# Altium PCB zhuzhuan1-2.PcbDoc
Units mm, origin at the board's own origin, x right, y up, seen from the top; angles counter-clockwise.
Board outline 462.88 x 250 mm, 2 copper layers (Top Layer, Bottom Layer); 81 components, 80 nets, 438 pads, 108 vias.
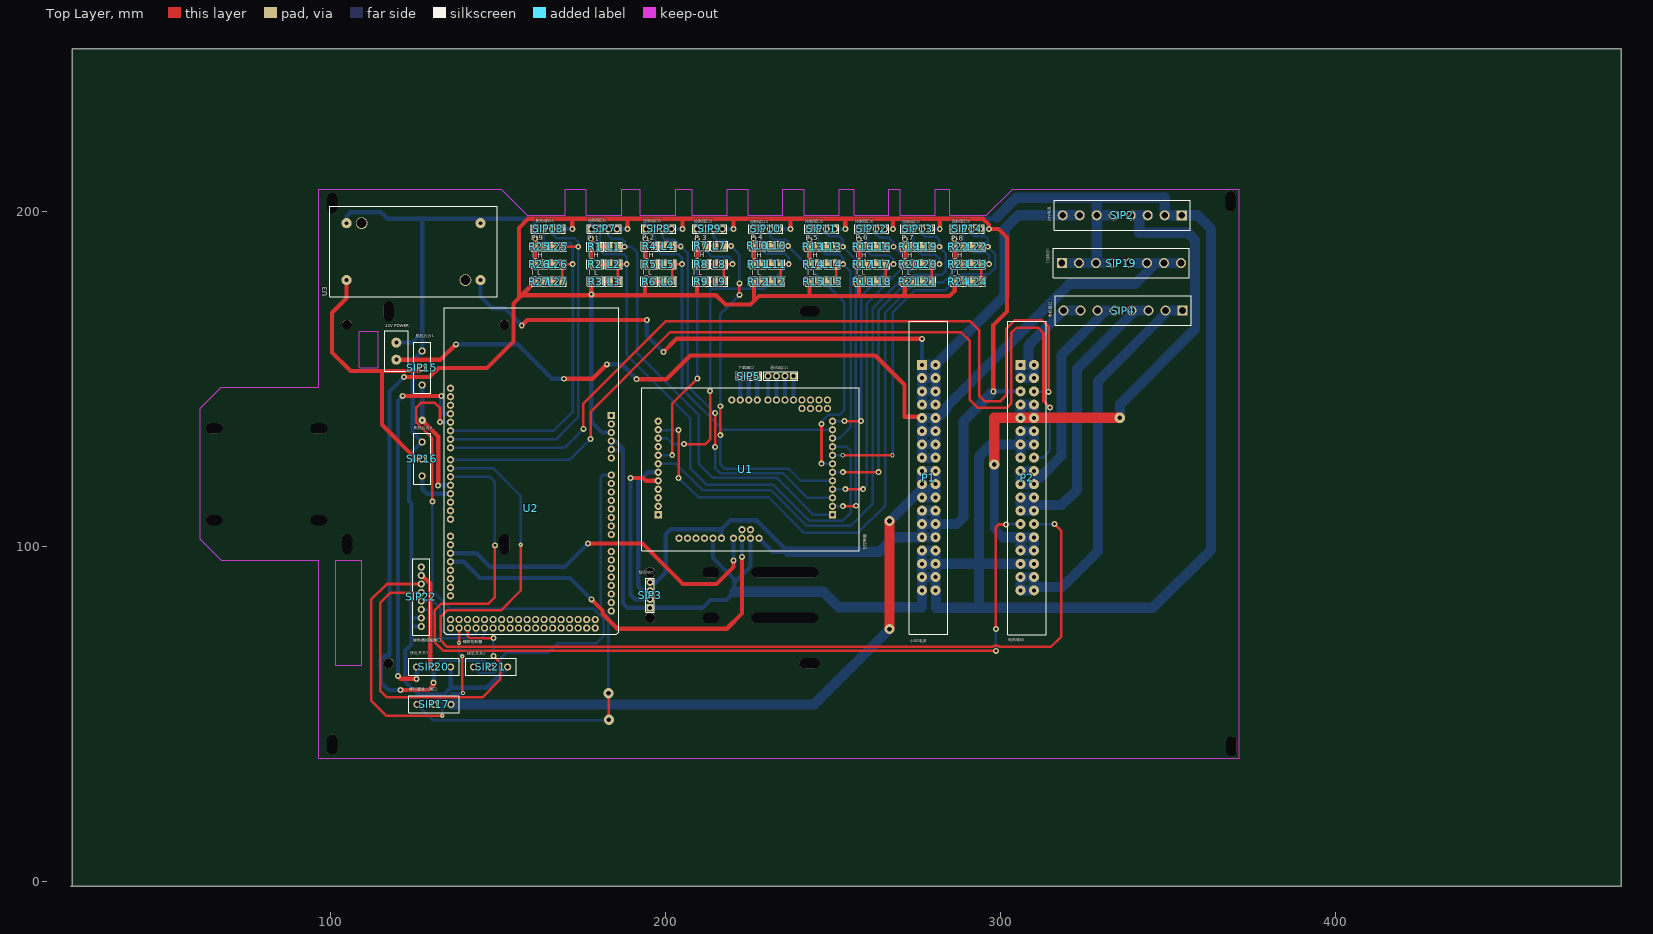
[diagram p0: Top Layer view]
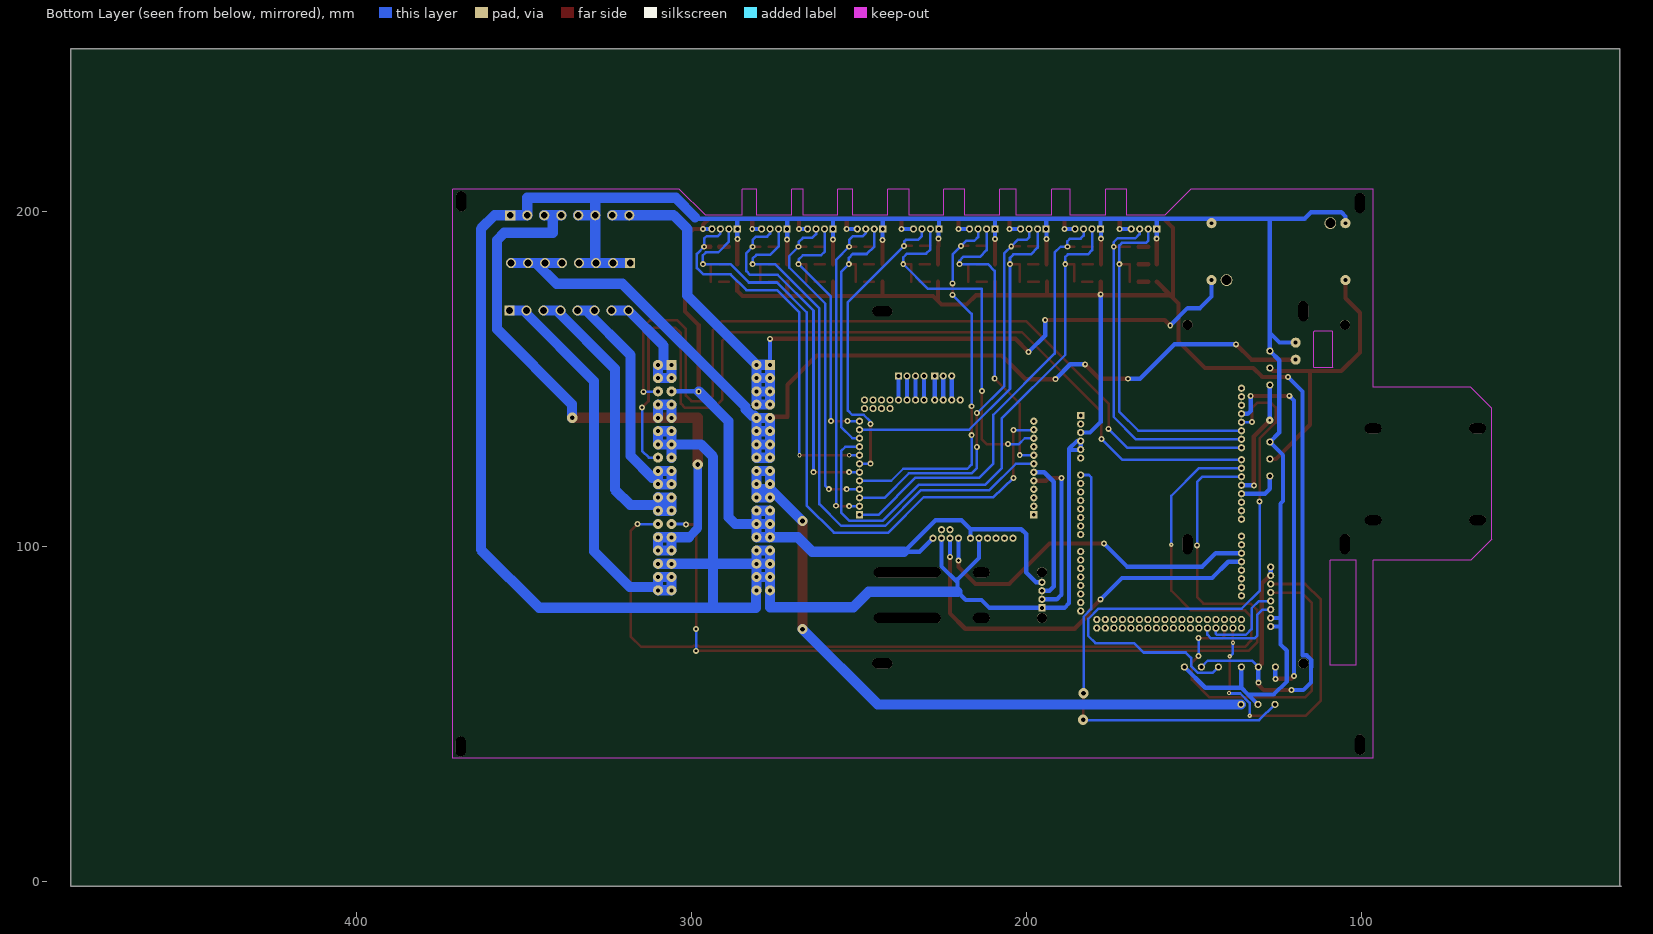
[diagram p1: Bottom Layer view, seen from below]

## Layer stack, top to bottom
Top Layer: signal copper 0.0356
Dielectric: dielectric 0.32, FR-4, Dk 4.8
Bottom Layer: signal copper 0.0356

## Board outline
22.479,-1.524 485.36,-1.524 485.36,248.476 22.86,248.476 22.86,-1.524

## Design rules (kind name [scope] priority, off if disabled: settings)
Clearance [All] p1: gap=0.254
PolygonConnect [All] p1: connectstyle=Relief reliefconductorwidth=0.254 reliefentries=4 polygonreliefangle="90 Angle"
RoutingVias [All] p1: holewidth=0.838 width=2.032 viastyle="Through Hole" minholewidth=0.254 minwidth=0.254 maxholewidth=7.62 maxwidth=12.7
SilkscreenOverComponentPads [All] p1: minsilkscreentomaskgap=0.254
SolderMaskExpansion [All] p1: expansion=0.102
Width [All] p1: maxlimit=12.7 minlimit=0.254 preferedwidth=0.762
27 further rules are at their usual default settings.

## Components (designator, comment, footprint, x,y, rotation, side; value= is the part's Value field where it differs from the comment)
"12V POWER" "SIP2" SIP2-3MM 119.634,155.702 r90 top
L1 "P_1" LED-T 185.776,189.408 r180 top
L2 "I_H" LED-T 185.776,184.175 r180 top
L3 "I_L" LED-T 183.337,178.994 r0 top
L4 "P_2" LED-T 202.032,189.535 r180 top
L5 "I_H" LED-T 202.032,184.201 r180 top
L6 "I_L" LED-T 199.492,178.994 r0 top
L7 "P_3" LED-T 217.399,189.662 r180 top
L8 "I_H" LED-T 217.399,184.201 r180 top
L9 "I_L" LED-T 214.859,178.994 r0 top
L10 "P_4" LED-T 234.29,189.662 r180 top
L11 "I_H" LED-T 234.417,184.201 r180 top
L12 "I_L" LED-T 231.877,178.994 r0 top
L13 "P_5" LED-T 250.927,189.408 r180 top
L14 "I_H" LED-T 251.054,184.201 r180 top
L15 "I_L" LED-T 248.514,178.994 r0 top
L16 "P_6" LED-T 265.786,189.408 r180 top
L17 "I_H" LED-T 265.786,184.201 r180 top
L18 "I_L" LED-T 263.246,178.994 r0 top
L19 "P_7" LED-T 279.502,189.408 r180 top
L20 "I_H" LED-T 279.502,184.201 r180 top
L21 "I_L" LED-T 276.962,178.994 r0 top
L22 "P_8" LED-T 294.361,189.408 r180 top
L23 "I_H" LED-T 294.361,184.201 r180 top
L24 "I_L" LED-T 291.821,178.994 r0 top
L25 "P_9" LED-T 169.139,189.408 r180 top
L26 "I_H" LED-T 169.139,184.201 r180 top
L27 "I_L" LED-T 166.599,178.994 r0 top
P1 "小DC电源" DIP36-3.96MM 276.631,154.145 r0 top
P2 "电机驱动" DIP36-3.96MM 306.053,154.14 r0 top
R1 "R" RES-T 180.315,189.408 r180 top
R2 "R" RES-T 180.315,184.175 r180 top
R3 "R" RES-T 180.416,178.994 r180 top
R4 "R" RES-T 196.571,189.535 r180 top
R5 "R" RES-T 196.571,184.201 r180 top
R6 "R" RES-T 196.444,178.994 r180 top
R7 "R" RES-T 211.938,189.662 r180 top
R8 "R" RES-T 211.938,184.201 r180 top
R9 "R" RES-T 211.938,178.994 r180 top
R10 "R" RES-T 228.829,189.662 r180 top
R11 "R" RES-T 228.956,184.201 r180 top
R12 "R" RES-T 228.956,178.994 r180 top
R13 "R" RES-T 245.466,189.408 r180 top
R14 "R" RES-T 245.593,184.201 r180 top
R15 "R" RES-T 245.593,178.994 r180 top
R16 "R" RES-T 260.325,189.408 r180 top
R17 "R" RES-T 260.325,184.201 r180 top
R18 "R" RES-T 260.325,178.994 r180 top
R19 "R" RES-T 274.041,189.408 r180 top
R20 "R" RES-T 274.041,184.201 r180 top
R21 "R" RES-T 274.041,178.994 r180 top
R22 "R" RES-T 288.9,189.408 r180 top
R23 "R" RES-T 288.9,184.201 r180 top
R24 "R" RES-T 288.9,178.994 r180 top
R25 "R" RES-T 163.678,189.408 r180 top
R26 "R" RES-T 163.678,184.201 r180 top
R27 "R" RES-T 163.678,178.994 r180 top
SIP2 "24V电源" SIP8*3MM 354.178,198.806 r180 top
SIP3 "CAN总线" SIP4 195.428,81.585 r180 top
SIP4 "电机接口" SIP8*3MM 354.432,170.358 r180 top
SIP5 "下载端口" SIP3 227.432,150.8 r270 top
SIP7 "控制端口1" SIP4 177.902,194.742 r90 top
SIP8 "控制端口2" SIP4 194.158,194.742 r90 top
SIP9 "控制端口3" SIP4 209.398,194.742 r90 top
SIP10 "控制端口4" SIP4 226.162,194.742 r90 top
SIP11 "控制端口5" SIP4 242.926,194.742 r90 top
SIP12 "控制端口6" SIP4 257.785,194.742 r90 top
SIP13 "控制端口7" SIP4 271.501,194.742 r90 top
SIP14 "控制端口8" SIP4 286.36,194.742 r90 top
SIP15 "舵机云台1" SIP3-3MM 127.356,148.133 r90 top
SIP16 "舵机云台2" SIP3-3MM 127.356,120.955 r90 top
SIP17 "模拟量输入端口" SIP3-3MM 135.992,52.756 r180 top
SIP18 "舵机端口9" SIP4 161.138,194.742 r90 top
SIP19 "LED接口" SIP8*3MM 318.389,184.531 r0 top
SIP20 "接近开关1" SIP3-3MM 125.705,63.932 r0 top
SIP21 "接近开关2" SIP3-3MM 142.723,63.932 r0 top
SIP22 "继电器控制端口" SIP8 127.102,93.777 r0 top
U1 "主控制器" -----STM32F407----- 249.903,109.37 r180 top
U2 "辅助控制器" "ARDUINO 2560" 135.839,139.032 r0 top
U3 "2596模块" 2596模块 144.78,179.451 r180 top
通讯端口1 "SIP4" SIP4 238.227,150.8 r270 top

## Footprints (in the part's own frame and the unit in brackets; to place one, negate y for a bottom-side part, rotate by r counter-clockwise, add the part's x,y. Pads: shape width x height; smd on the part's side, far side on the other; paste and mask are expansions set on the pad)
2596模块 [mm]
  round 3.048 hole 1.143: 1(0,0) 2(0,-17) 3(40,-17) 4(40,0)
  round 3.5 hole 3: 6(4.5,0) 7(35.5,-17)
  silkscreen extent -5,-22 45,5
-----STM32F407----- [mil]
  rect 85x85 hole 45: 1(2050,0) 13(0,0)
  round 85 hole 45: 2(2050,-100) 3(2050,-200) 4(2050,-300) 5(2050,-400) 6(2050,-500) 7(2050,-600) 8(2050,-700) 9(2050,-800) 10(2050,-900) 11(2050,-1000) 12(2050,-1100) 14(0,-100) 15(0,-200) 16(0,-300) 17(0,-400) 18(0,-500) 19(0,-600) 20(0,-700) 21(0,-800) 22(0,-900) 23(0,-1000) 24(0,-1100) 25(60,-1250) 26(160,-1250) 27(260,-1250) 28(360,-1250) 29(60,-1350) 30(160,-1350) 31(260,-1350) 32(360,-1350) 33(460,-1350) 34(560,-1350) 35(660,-1350) 36(760,-1350) 37(885,-1350) 38(985,-1350) 39(1085,-1350) 40(1185,-1350) 41(1805,275) 42(1705,275) 43(1605,275) 44(1505,275) 45(1405,275) 46(1305,275) 47(1165,275) 48(1065,275) 49(965,275) 50(865,275) 51(1065,175) 52(965,175)
  silkscreen extent -313,-1495 2241,423
"ARDUINO 2560" [mil]
  rect 85x85 hole 45: 1(1890,0)
  round 85 hole 45: 2(1890,-100) 3(1890,-200) 4(1890,-300) 5(1890,-400) 6(1890,-500) 7(1890,-700) 8(1890,-800) 9(1890,-900) 10(1890,-1000) 11(1890,-1100) 12(1890,-1200) 13(1890,-1300) 14(1890,-1400) 15(1890,-1600) 16(1890,-1700) 17(1890,-1800) 18(1890,-1900) 19(1890,-2000) 20(1890,-2100) 21(1890,-2200) 22(1890,-2300) 23(100,-2400) 24(100,-2500) 25(200,-2400) 26(200,-2500) 27(300,-2400) 28(300,-2500) 29(400,-2400) 30(400,-2500) 31(500,-2400) 32(500,-2500) 33(600,-2400) 34(600,-2500) 35(700,-2400) 36(700,-2500) 37(800,-2400) 38(800,-2500) 39(900,-2400) 40(900,-2500) 41(1000,-2400) 42(1000,-2500) 43(1100,-2400) 44(1100,-2500) 45(1200,-2400) 46(1200,-2500) 47(1300,-2400) 48(1300,-2500) 49(1400,-2400) 50(1400,-2500) 51(1500,-2400) 52(1500,-2500) 53(1600,-2400) 54(1600,-2500) 55(1700,-2400) 56(1700,-2500) 57(0,-2120) 58(0,-2020) 59(0,-1920) 60(0,-1820) 61(0,-1720) 62(0,-1620) 63(0,-1520) 64(0,-1420) 65(0,-1220) 66(0,-1120) 67(0,-1020) 68(0,-920) 69(0,-820) 70(0,-720) 71(0,-620) 72(0,-520) 73(0,-380) 74(0,-280) 75(0,-180) 76(0,-80) 77(0,20) 78(0,120) 79(0,220) 80(0,320) 81(0,-2500) 82(0,-2400)
  silkscreen extent -75,-2575 1975,1265
DIP36-3.96MM [mm]
  rect 3x3 hole 1.2: 1(0,0)
  round 3 hole 1.2: 2(4,0) 3(0,-3.96) 4(4,-3.96) 5(0,-7.92) 6(4,-7.92) 7(0,-11.88) 8(4,-11.88) 9(0,-15.84) 10(4,-15.84) 11(0,-19.8) 12(4,-19.8) 13(0,-23.76) 14(4,-23.76) 15(0,-27.72) 16(4,-27.72) 17(0,-31.68) 18(4,-31.68) 19(0,-35.64) 20(4,-35.64) 21(0,-39.6) 22(4,-39.6) 23(0,-43.56) 24(4,-43.56) 25(0,-47.52) 26(4,-47.52) 27(0,-51.48) 28(4,-51.48) 29(0,-55.44) 30(4,-55.44) 31(0,-59.4) 32(4,-59.4) 33(0,-63.36) 34(4,-63.36) 35(0,-67.32) 36(4,-67.32)
  silkscreen extent -3.81,-80.52 7.62,12.95
LED-T [mil]
  rect 75x85 smd: 1(0,0) 2(100,0)
  silkscreen extent -50,-55 150,55
RES-T [mil]
  rect 75x85 smd: 1(0,0) 2(100,0)
  silkscreen extent -50,-55 150,55
SIP2-3MM [mm]
  round 3 hole 1.2: 1(0,0) 2(5.08,0)
  silkscreen extent -3.51,-3.51 8.59,3.51
SIP3 [mil]
  rect 85x85 hole 45: 1(0,0)
  round 85 hole 45: 2(0,-100) 3(0,-200)
  silkscreen extent -50,-250 50,50
SIP3-3MM [mil]
  round 85 hole 45: 1(0,0) 2(200,0) 3(400,0)
  silkscreen extent -95,-100 500,100
SIP4 [mil]
  rect 85x85 hole 45: 1(0,0)
  round 85 hole 45: 2(0,-100) 3(0,-200) 4(0,-300)
  silkscreen extent -50,-350 50,50
SIP8 [mil]
  round 85 hole 45: 1(0,0) 2(0,-100) 3(0,-200) 4(0,-300) 5(0,-400) 6(0,-500) 7(0,-600) 8(0,-700)
  silkscreen extent -100,-800 100,100
SIP8*3MM [mm]
  rect 3x3 hole 2: 1(0,0)
  round 3 hole 2: 2(5.08,0) 3(10.16,0) 4(15.24,0) 5(20.32,0) 6(25.4,0) 7(30.48,0) 8(35.56,0)
  silkscreen extent -2.54,-4.44 38.1,4.45

## Part data
L1 L2 L3 L4 L5 L6 L7 L8 L9 L10 L11 L12 L13 L14 L15 L16 L17 L18 L19 L20 L21 L22 L23 L24 L25 L26 L27: library part LED
P1: library part POWER_18*2
P2: library part Header
R1 R2 R3 R4 R5 R6 R7 R8 R9 R10 R11 R12 R13 R14 R15 R16 R17 R18 R19 R20 R21 R22 R23 R24 R25 R26 R27: library part RES-T
SIP2 SIP4 SIP19: library part SIP8*3MM
SIP3 SIP7 SIP8 SIP9 SIP10 SIP11 SIP12 SIP13 SIP14 SIP18: library part SIP4
SIP5 SIP15 SIP16 SIP17 SIP20 SIP21: library part SIP3
SIP22: library part SIP8
U1: library part ------STM32F407------
U2: library part "ARDUINO 2560"

## Free pads (board coordinates)
  oval 3x6 hole 3 slot 6 at 90 deg: 0(151.934,100.609) 0(368.833,202.971) 1(368.986,40.183) 2(100.457,40.742) 2(104.934,100.609) 3(100.457,202.463) 15(117.348,170.18)
  round 3 hole 3: 1(151.934,166.109) 3(104.934,166.109) 7(195.428,78.585) 8(195.428,92.205) 10(117.348,65.024)
  oval 5x3 hole 3 slot 5 at 0 deg: 5(96.495,135.153) 8(65.295,135.179) 9(65.329,107.772) 9(96.495,107.772) 9(213.528,92.151) 10(213.528,78.585)
  oval 20x3 hole 3 slot 20 at 0 deg: 12(235.61,92.202) 13(235.61,78.588)
  oval 6x3 hole 3 slot 6 at 0 deg: 14(243.078,170.18) 16(243.078,65.024)

## Via types
v1: diameter 1.778, hole 0.838, Top Layer to Bottom Layer, 94 vias
v2: diameter 3.048, hole 1.397, Top Layer to Bottom Layer, 6 vias
v3: diameter 1.27, hole 0.508, Top Layer to Bottom Layer, 5 vias
v4: diameter 1.27, hole 0.711, Top Layer to Bottom Layer, 2 vias
v5: diameter 2.159, hole 0.838, Top Layer to Bottom Layer, 1 vias

## Nets (pads, with @x,y where several pads share a name; then routed paths per layer and width w, separated by ;. In a path a pad name is that pad's centre, name@x,y a point inside that pad or via, vN(x,y) a via of type N, cw(c..) or ccw(c..) an arc to the next point about the centre after c; other vN are vias at no path point)
5V: P1.23 P1.24 P1.25 P1.26 P1.27 P1.28 P2.5 R3.2 R6.2 R9.2 R12.2 R15.2 R18.2 R21.2 R24.2 R27.2 SIP3.4 SIP7.4 SIP8.4 SIP9.4 SIP10.4 SIP11.4 SIP12.4 SIP13.4 SIP14.4 SIP18.4 SIP20.2 SIP21.2 SIP22.1 SIP22.2 U1.46 U1.50 U2.3 | length 907.6
  Top Layer w1.27: v1(120.904,57.023) 129.21,57.023 130.785,58.598 v1(130.785,59.233) ; v1(121.92,150.495) 129.591,150.495 132.309,153.213 146.736,153.213 154.61,161.087 154.61,172.466 156.248,174.104 ; SIP22.2 127.345,91.237 129.794,88.788 129.794,64.922 SIP20.2 ; R27.2 157.074,174.93 ; v1(172.187,194.742) 172.187,197.663 ; v1(177.876,175.209) R3.2 ; v1(188.697,194.742) 188.697,197.79 ; 193.904,175.057 R6.2 ; v1(205.08,194.742) 205.08,197.663 ; 209.398,175.184 R9.2 ; v1(220.32,194.742) 220.32,197.79 ; 226.416,173.497 R12.2 ; v1(237.338,194.742) 237.338,197.79 ; 243.053,174.93 R15.2 ; v1(253.721,194.742) 253.721,197.79 ; 257.785,174.803 R18.2 ; v1(267.945,194.742) 267.945,197.663 ; 271.501,174.803 R21.2 ; v1(281.915,194.742) 281.915,197.663 ; R24.2 286.36,176.2 284.836,174.676 227.94,174.676 225.4,172.136 217.907,172.136 215.113,174.93 157.074,174.93 ; v1(297.917,146.228) 297.917,166.04 301.981,170.104 301.981,192.202 299.441,194.742 v1(296.647,194.742) 296.647,196.012 294.869,197.79 253.721,197.79 ; 156.248,174.104 157.074,174.93 ; 156.248,174.104 156.248,195.059 158.979,197.79 188.697,197.79 ; 188.697,197.79 220.32,197.79 ; 220.32,197.79 237.338,197.79 ; 237.338,197.79 253.721,197.79
  Bottom Layer w0.762: SIP20.2 132.69,65.837 145.898,65.837 SIP21.2
  Bottom Layer w1.27: 114.959,63.931 114.959,66.014 116.358,67.413 117.602,67.413 117.602,146.177 v1(121.92,150.495) ; 115.062,63.828 115.062,59.309 117.348,57.023 v1(120.904,57.023) ; SIP22.2 SIP22.1 ; v1(130.785,59.233) SIP20.2 ; SIP18.4 v1(172.187,194.742) ; v1(177.876,175.209) 177.876,137.109 181.034,133.952 U2.3 ; SIP7.4 v1(188.697,194.742) ; SIP3.4 197.206,89.205 200.101,92.1 200.101,103.607 201.567,105.072 216.756,105.072 ; SIP8.4 v1(205.08,194.742) ; U1.46 216.756,105.072 ; SIP9.4 v1(220.32,194.742) ; U1.50 231.968,98.349 236.576,98.349 ; SIP10.4 v1(237.338,194.742) ; 238.1,98.349 236.576,98.349 ; SIP11.4 v1(253.721,194.742) ; SIP12.4 v1(267.945,194.742) ; SIP13.4 v1(281.915,194.742) ; SIP14.4 v1(296.647,194.742) ; v1(297.917,146.228) 306.046,146.228 P2.5 ; 216.756,105.072 219.431,107.747 227.178,107.747 236.576,98.349
  Bottom Layer w3.048: 236.576,98.349 264.008,98.349 268.324,102.665 P1.27 ; P1.23@276.625,110.585 P1.23 ; v1(297.917,146.228) 289.027,137.338 289.027,108.636 287.016,106.625 P1.26 ; P1.27 P1.25 ; P1.27 P1.28 P1.26 ; P1.25 P1.26 ; P1.25 P1.23 ; P1.23 P1.24 P1.26
5V-D: SIP15.2 SIP16.2 U3.4 | length 85.4
  Top Layer w1.27: U3.4 104.78,174.046 100.432,169.697 100.432,157.861 106.02,152.273 115.341,152.273 ; SIP15.2@127.203,153.213 SIP15.2 126.416,152.273 115.341,152.273 ; SIP16.2 125.552,126.035 115.341,136.246 115.341,152.273
9V: P1.17 P1.18 P1.19 P1.20 P1.21 P1.22 SIP17.1 | length 214
  Top Layer w3.048: v2(266.929,75.235) v2(266.929,107.493)
  Bottom Layer w3.048: SIP17.1 244.45,52.756 v2(266.929,75.235) ; v2(266.929,107.493) 276.454,117.018 P1.20@280.631,117.018 ; P1.18@280.617,122.479 P1.18 ; P1.20@280.631,117.018 P1.20 P1.18 ; P1.20@280.631,117.018 P1.22 P1.21 P1.19 P1.17 P1.18
12V: "12V POWER.1" P1.9 P1.10 P1.11 P1.12 P1.13 P1.14 P1.15 P1.16 SIP19.5 SIP19.6 SIP19.7 SIP19.8 | length 328
  Top Layer w1.27: 119.634,155.702 132.842,155.702 v1(137.414,160.274) ; v1(169.672,149.987) 178.181,149.987 v1(182.499,154.305) ; v1(191.389,149.86) 200.279,149.86 207.391,156.972 262.636,156.972 271.399,148.209 271.399,138.684 276.252,138.684 P1.9
  Bottom Layer w1.27: v1(137.414,160.274) 155.829,160.274 166.116,149.987 v1(169.672,149.987) ; v1(182.499,154.305) 186.944,154.305 v1(191.389,149.86) ; P1.9@276.252,138.684 P1.9
  Bottom Layer w3.048: P1.9@276.63,138.305 P1.9 ; SIP19.5 SIP19.6 346.481,184.531 ; SIP19.8 SIP19.7 346.481,184.531 ; P1.11 P1.9 ; P1.11 P1.13 P1.14 ; P1.11 P1.15 P1.16 P1.14 ; P1.11 P1.12 ; P1.9 P1.10 ; P1.14 P1.12 ; P1.12 P1.10 ; P1.10 281.289,138.963 281.999,138.963 283.933,140.897 283.933,141.607 320.711,178.384 340.335,178.384 346.481,184.531
24_D: P2.7 P2.8 P2.9 P2.10 P2.27 P2.28 P2.29 P2.30 SIP2.3 SIP2.4 | length 197.5
  Top Layer w3.048: v2(298.171,124.384) 298.171,138.354 v2(335.636,138.354)
  Bottom Layer w2.54: v2(298.171,124.384) 298.171,105.334 300.844,102.66
  Bottom Layer w3.048: 300.844,102.66 P2.27 ; P2.7@306.045,142.291 306.075,142.26 P2.8 P2.10 ; P2.27 P2.27 ; P2.9 P2.7 ; v2@335.763,138.354 335.763,142.418 358.115,164.77 358.115,191.44 355.956,193.599 341.478,193.599 341.478,198.806 ; SIP2.4 341.478,198.806 ; SIP2.3 341.478,198.806 ; P2.27 P2.28 P2.30 P2.29 P2.27
24_V: P1.1 P1.2 P1.3 P1.4 P1.5 P1.6 P1.7 P1.8 SIP2.7 SIP2.8 U3.1 | length 270.1
  Top Layer w1.27: v1(157.099,165.862) 158.75,167.513 v1(194.437,167.513) ; v1(199.39,157.988) 203.327,161.925 v1(276.606,161.925)
  Bottom Layer w1.27: U3.1 144.78,174.523 148.234,171.069 151.892,171.069 v1(157.099,165.862) ; v1(194.437,167.513) 194.437,162.941 v1(199.39,157.988) ; v1(276.606,161.925) 276.631,161.9 P1.1
  Bottom Layer w3.048: P1.1@276.581,154.102 276.624,154.145 P1.1 ; SIP2.7 SIP2.8 305.41,198.806 301.346,194.742 301.346,174.859 P1.2 ; P1.5 P1.7 P1.8 P1.6 ; P1.5 P1.6 ; P1.5 P1.3 ; P1.3 P1.1 ; P1.3 P1.4 ; P1.1 P1.2 ; P1.6 P1.4 ; P1.4 P1.2
DUO1: L25.1 SIP18.3 U2.74 | length 108.2
  Top Layer w0.762: L25.1 v1(173.965,189.408)
  Bottom Layer w0.762: U2.74 167.277,131.92 173.965,138.608 v1(173.965,189.408) 173.965,190.805 172.822,191.948 167.488,191.948 166.218,193.218 SIP18.3
DUO2: L26.1 L27.2 SIP18.2 U2.75 | length 109.6
  Top Layer w0.762: L27.2 L26.1 v1(172.314,184.201)
  Bottom Layer w0.762: U2.75 166.642,134.46 172.314,140.132 v1(172.314,184.201) 172.314,189.789 171.552,190.551 164.313,190.551 163.678,191.186 SIP18.2
GND: "12V POWER.2" P1.29 P1.30 P1.31 P1.32 P1.33 P1.34 P1.35 P1.36 P2.11 P2.12 P2.13 P2.14 P2.15 P2.31 P2.32 R1.2 R2.2 R4.2 R5.2 R7.2 R8.2 R10.2 R11.2 R13.2 R14.2 R16.2 R17.2 R19.2 R20.2 R22.2 R23.2 R25.2 R26.2 SIP2.1 SIP2.2 SIP2.5 SIP2.6 SIP3.1 SIP7.1 SIP8.1 SIP9.1 SIP10.1 SIP11.1 SIP12.1 SIP13.1 SIP14.1 SIP15.3 SIP16.3 SIP17.2 SIP18.1 SIP19.1 SIP19.2 SIP19.3 SIP19.4 SIP20.3 SIP21.3 SIP22.7 SIP22.8 U1.45 U1.49 U2.4 U2.5 U3.2 U3.3 | length 1159.6
  Top Layer w1.27: R26.2 R25.2 v1(161.138,191.821) ; R2.2 R1.2 v1(177.775,191.821) ; R5.2 R4.2 v1(194.031,191.694) ; R8.2 R7.2 v1(209.398,191.694) ; v1(226.289,191.821) R10.2 226.416,189.535 R11.2 ; R14.2 v1(243.053,191.44) ; R17.2 R16.2 v1(257.785,191.567) ; R20.2 R19.2 v1(271.501,191.567) ; R23.2 R22.2 v1(286.36,191.694)
  Bottom Layer w1.27: U3.3 104.78,198.481 105.994,199.695 115.062,199.695 116.967,197.79 U3.2@144.78,197.79 ; 119.634,160.782 124.435,160.782 127.356,163.703 ; 124.333,78.537 SIP22.7 ; 124.358,75.997 SIP22.8 ; 127.356,197.764 127.356,163.703 ; SIP17.2 133.833,55.677 ; SIP20.3 135.865,57.709 ; U3.2 U3.2@144.78,197.79 ; SIP21.3 146.66,57.709 135.865,57.709 ; v1(161.138,191.821) SIP18.1 161.138,197.79 ; v1(177.775,191.821) 177.775,194.615 SIP7.1 177.902,197.663 ; 187.046,128.702 184.015,128.702 U2.5 U2.4 184.971,131.412 187.3,129.083 187.3,82.982 188.697,81.585 SIP3.1 211.099,81.585 213.436,83.922 218.161,83.922 220.624,86.385 220.624,89.205 ; v1(194.031,191.694) SIP8.1@194.031,194.615 ; SIP8.1 194.158,197.536 ; v1(209.398,191.694) SIP9.1 209.398,197.663 ; U1.45 214.216,96.502 220.624,90.094 220.624,89.205 ; U1.49 225.392,93.972 220.624,89.205 ; SIP10.1 226.162,197.663 ; v1(226.289,191.821) SIP10.1@226.289,194.615 ; v1(243.053,191.44) 243.053,194.615 SIP11.1 242.926,197.79 ; v1(257.785,191.567) SIP12.1 257.785,197.663 ; v1(271.501,191.567) SIP13.1 271.501,197.536 ; v1(286.36,191.694) SIP14.1 286.36,197.79 ; 298.996,198.234 298.552,197.79 286.36,197.79 ; 127.356,163.703 SIP15.3 124.562,155.499 124.562,133.909 SIP16.3 123.419,127.178 123.419,113.462 124.181,112.7 124.181,70.663 122.276,68.758 122.276,59.614 126.213,55.677 133.833,55.677 ; 133.833,55.677 135.865,57.709 ; U3.2@144.78,197.79 161.138,197.79 ; 161.138,197.79 242.926,197.79 ; 242.926,197.79 286.36,197.79
  Bottom Layer w3.048: 220.624,86.385 247.117,86.385 251.739,81.763 276.631,81.763 P1.35 P1.33 ; P1.29@276.581,98.73 280.606,98.73 P1.30 P1.32 ; P1.29 P1.31 ; P1.36 P1.34 ; P1.34@280.631,90.023 P1.34 ; P1.32@280.636,94.74 293.599,94.74 ; P1.36@280.772,86.825 280.772,81.585 345.542,81.585 362.941,98.984 362.941,194.742 358.877,198.806 SIP2.1 SIP2.2 349.098,204.013 304.775,204.013 298.996,198.234 ; 293.599,81.712 293.599,94.74 ; P2.15 P2.13 ; P2.32 P2.31 293.599,94.74 ; SIP19.1 SIP19.2 SIP19.3 SIP19.4 ; SIP19.3@328.778,184.76 SIP2.6 ; 328.778,202.616 SIP2.6 ; SIP2.5 SIP2.6 ; P1.33 P1.34 ; P1.33 P1.31 ; P1.31 P1.32 ; P1.34 P1.32 ; 293.599,94.74 293.599,126.67 297.309,130.38 P2.13 ; P2.13 P2.14 P2.12 P2.11 P2.13
NetL1_2: L1.2 R1.1 | length 2.9
  Top Layer w0.762: R1.1 L1.2
NetL2_2: L2.2 R2.1 | length 2.9
  Top Layer w0.762: R2.1 L2.2
NetL3_1: L3.1 R3.1 | length 2.9
  Top Layer w0.762: R3.1 L3.1
NetL4_2: L4.2 R4.1 | length 2.9
  Top Layer w0.762: R4.1 L4.2
NetL5_2: L5.2 R5.1 | length 2.9
  Top Layer w0.762: R5.1 L5.2
NetL6_1: L6.1 R6.1 | length 3
  Top Layer w0.762: R6.1 L6.1
NetL7_2: L7.2 R7.1 | length 2.9
  Top Layer w0.762: R7.1 L7.2
NetL8_2: L8.2 R8.1 | length 2.9
  Top Layer w0.762: R8.1 L8.2
NetL9_1: L9.1 R9.1 | length 2.9
  Top Layer w0.762: R9.1 L9.1
NetL10_2: L10.2 R10.1 | length 2.9
  Top Layer w0.762: R10.1 L10.2
NetL11_2: L11.2 R11.1 | length 2.9
  Top Layer w0.762: R11.1 L11.2
NetL12_1: L12.1 R12.1 | length 2.9
  Top Layer w0.762: R12.1 L12.1
NetL13_2: L13.2 R13.1 | length 2.9
  Top Layer w0.762: R13.1 L13.2
NetL14_2: L14.2 R14.1 | length 2.9
  Top Layer w0.762: R14.1 L14.2
NetL15_1: L15.1 R15.1 | length 2.9
  Top Layer w0.762: R15.1 L15.1
NetL16_2: L16.2 R16.1 | length 2.9
  Top Layer w0.762: R16.1 L16.2
NetL17_2: L17.2 R17.1 | length 2.9
  Top Layer w0.762: R17.1 L17.2
NetL18_1: L18.1 R18.1 | length 2.9
  Top Layer w0.762: R18.1 L18.1
NetL19_2: L19.2 R19.1 | length 2.9
  Top Layer w0.762: R19.1 L19.2
NetL20_2: L20.2 R20.1 | length 2.9
  Top Layer w0.762: R20.1 L20.2
NetL21_1: L21.1 R21.1 | length 2.9
  Top Layer w0.762: R21.1 L21.1
NetL22_2: L22.2 R22.1 | length 2.9
  Top Layer w1.27: R22.1 L22.2
NetL23_2: L23.2 R23.1 | length 2.9
  Top Layer w0.762: R23.1 L23.2
NetL24_1: L24.1 R24.1 | length 2.9
  Top Layer w0.762: R24.1 L24.1
NetL25_2: L25.2 R25.1 | length 2.9
  Top Layer w1.27: R25.1 L25.2
NetL26_2: L26.2 R26.1 | length 2.9
  Top Layer w1.27: R26.1 L26.2
NetL27_1: L27.1 R27.1 | length 2.9
  Top Layer w1.27: R27.1 L27.1
NetSIP3_2: SIP3.2 U1.5 | length 49.8
  Top Layer w1.27: v1(189.586,120.32) 193.37,120.32 194.16,119.53 U1.5
  Bottom Layer w1.27: v1(189.586,120.32) 189.586,85.522 190.983,84.125 SIP3.2
NetSIP3_3: SIP3.3 U1.6 | length 42.5
  Bottom Layer w1.27: SIP3.3 193.142,86.665 191.872,87.935 191.872,119.228 194.714,122.07 U1.6
NetSIP5_1: SIP5.1 U1.37 | length 7.1
  Bottom Layer w1.27: U1.37 SIP5.1@227.424,150.792
NetSIP5_2: SIP5.2 U1.38 | length 7.1
  Bottom Layer w1.27: U1.38@224.892,143.667 SIP5.2
NetSIP5_3: SIP5.3 U1.39 | length 7.1
  Bottom Layer w1.27: U1.39 SIP5.3@222.344,150.792
NetSIP15_1: SIP15.1 U2.69 | length 35.8
  Top Layer w1.27: v5(127.356,137.592) 132.182,132.766 132.182,118.288 v1(132.055,118.161)
  Bottom Layer w1.27: v5(127.356,137.592) SIP15.1 ; v1(132.055,118.161) 135.796,118.161 U2.69
NetSIP16_1: SIP16.1 U2.68 | length 12.9
  Bottom Layer w1.27: SIP16.1 127.356,117.145 128.837,115.664 U2.68
NetSIP17_3: SIP17.3 U2.7 | length 136.1
  Top Layer w0.762: v2(182.982,56.058) 183.109,55.931 v2(183.109,48.184)
  Bottom Layer w0.762: SIP17.3 130.531,48.057 182.982,48.057 v2(183.109,48.184) ; v2(182.982,56.058) 182.982,78.918 180.696,81.204 180.696,120.574 181.374,121.252 U2.7
NetSIP20_1: SIP20.1 U2.77 | length 112.9
  Top Layer w1.27: v1(120.142,61.214) 120.98,60.376 v1(125.705,60.376) ; v1(121.539,144.907) 121.615,144.831 v1(133.071,144.831)
  Bottom Layer w1.27: v1(120.142,61.214) 120.142,143.51 v1(121.539,144.907) ; v1(125.705,60.376) SIP20.1 ; v1(133.071,144.831) 133.071,140.386 133.917,139.54 U2.77
NetSIP21_1: SIP21.1 U2.76 | length 177.8
  Top Layer w0.762: 125.705,138.429 125.641,138.365 ; v1(130.404,113.335) 130.404,132.119 125.641,136.882 125.641,138.365 ; v1(132.69,137.084) 132.69,141.275 131.166,142.799 126.975,142.799 125.641,141.465 125.641,138.365
  Bottom Layer w0.762: v1(130.404,113.335) 130.404,86.665 135.738,81.331 178.537,81.331 181.585,78.283 181.585,73.203 179.426,71.044 167.869,71.044 165.075,68.25 152.502,68.25 150.851,66.599 150.851,64.186 148.819,62.154 144.501,62.154 SIP21.1 ; v1(132.69,137.084) 132.774,137 U2.76
NetSIP22_3: SIP22.3 U2.24 | length 101.8
  Top Layer w0.762: SIP22.3 116.789,88.697 112.116,84.023 112.116,53.899 116.688,49.327 v3(133.375,49.327) ; v3(138.379,71.171) U2.24 ; v3(139.344,67.107) 139.344,56.439 139.548,56.236 v3(139.548,56.134)
  Bottom Layer w0.762: v3(133.375,49.327) 133.401,49.301 133.401,53.218 136.19,56.007 139.548,56.007 v3(139.548,56.134) ; v3(138.379,71.171) v3@138.379,71.095 ; v3@138.405,71.069 v3@138.379,71.095 ; v3(139.344,67.107) 139.344,66.954 138.379,67.92 v3@138.379,71.095
NetSIP22_4: SIP22.4 U2.26 | length 102.4
  Top Layer w0.762: SIP22.4 117.881,86.157 114.783,83.058 114.783,56.896 116.815,54.864 145.364,54.864 150.622,60.122 150.622,65.253 v1(148.641,67.234) ; U2.26 140.919,73.152 141.58,72.492 148.666,72.492 148.641,72.517 v1(148.641,72.568)
  Bottom Layer w0.762: v1(148.641,67.234) v1(148.641,72.568)
NetSIP22_5: SIP22.5 U2.28 | length 26
  Bottom Layer w0.762: SIP22.5 130.658,83.617 132.817,81.458 132.817,75.26 134.544,73.533 143.154,73.533 143.459,73.838 U2.28
NetSIP22_6: SIP22.6 U2.30 | length 28.5
  Bottom Layer w0.762: SIP22.6 129.515,81.077 131.166,79.426 131.166,73.228 131.902,72.492 144.932,72.492 145.999,73.558 U2.30
NetU1_33: U1.33 通讯端口1.1 | length 7.1
  Bottom Layer w1.27: U1.33 238.227,143.667 通讯端口1.1
NetU1_34: U1.34 通讯端口1.2 | length 7.1
  Bottom Layer w1.27: U1.34@235.687,143.667 通讯端口1.2
NetU1_35: U1.35 通讯端口1.3 | length 7.1
  Bottom Layer w1.27: U1.35 通讯端口1.3@233.139,150.792
NetU1_36: U1.36 通讯端口1.4 | length 7.1
  Bottom Layer w1.27: U1.36@230.607,143.667 通讯端口1.4
OUT1: P2.1 P2.2 P2.3 P2.4 SIP4.7 SIP4.8 | length 41.5
  Bottom Layer w3.048: P2.1 P2.3 P2.4 P2.2 308.458,154.14 ; P2.1@306.083,154.14 308.458,154.14 ; SIP4.7 SIP4.8 308.458,159.944 308.458,154.14
OUT2: P2.17 P2.18 P2.19 P2.20 SIP4.5 SIP4.6 | length 80.8
  Bottom Layer w3.048: P2.17@306.053,122.47 P2.17 ; SIP4.6 331.572,170.358 ; SIP4.5 331.572,170.358 ; P2.17 P2.18 310.053,120.447 ; P2.17 P2.19 P2.20 310.053,120.447 ; 310.053,120.447 311.76,120.447 318.237,126.924 318.237,157.023 331.572,170.358
OUT3: P2.21 P2.22 P2.23 P2.24 SIP4.3 SIP4.4 | length 98.4
  Bottom Layer w3.048: 308.204,112.319 310.053,112.319 ; P2.22@309.989,114.605 P2.22 ; SIP4.4 SIP4.4@340.335,170.358 ; SIP4.3 SIP4.4@340.335,170.358 ; 310.053,112.319 P2.22 ; 310.053,112.319 P2.24 P2.23 P2.21 P2.22 ; 310.053,112.319 318.364,112.319 322.936,116.891 322.936,152.959 SIP4.4@340.335,170.358
OUT4: P2.33 P2.34 P2.35 P2.36 SIP4.1 SIP4.2 | length 124.2
  Bottom Layer w3.048: SIP4.1 350.241,170.358 329.159,149.276 329.159,98.476 318.491,87.808 P2.36@310.053,87.808 ; P2.36@310.053,87.808 P2.34 P2.33 P2.35 P2.36 P2.36@310.053,87.808
PWM1: P2.6 U2.73 | length 266.3
  Top Layer w0.762: v1(175.489,135.052) 175.489,142.545 200.127,167.183 290.932,167.183 293.726,164.389 293.726,144.831 295.25,143.307 300.076,143.307 301.727,144.958 301.727,164.897 304.267,167.437 312.522,167.437 314.427,165.532 v1(314.427,146.101)
  Bottom Layer w0.762: U2.73 169.817,129.38 v1(175.489,135.052) ; P2.6 310.173,146.101 v1(314.427,146.101)
PWM2: P2.16 U2.72 | length 281.8
  Top Layer w0.762: v1(177.648,132.004) 177.648,140.132 201.397,163.881 288.265,163.881 290.932,161.214 290.932,143.688 293.345,141.275 301.981,141.275 303.251,142.545 303.251,163.627 304.902,165.278 311.252,165.278 312.903,163.627 312.903,143.307 v1(314.808,141.402)
  Bottom Layer w0.762: U2.72 171.468,125.824 v1(177.648,132.004) ; P2.16 312.78,126.42 314.808,128.448 v1(314.808,141.402)
PWM3: P2.26 U2.71 | length 315.2
  Top Layer w0.762: v3(156.794,100.432) 156.794,86.766 150.851,80.823 134.722,80.823 132.944,79.045 132.944,71.78 134.823,69.901 297.666,69.901 298.047,70.282 299.31,70.282 299.691,69.901 315.062,69.901 318.237,73.076 318.237,104.572 v1(316.205,106.604)
  Bottom Layer w0.762: U2.71 148.522,123.284 156.794,115.011 v3(156.794,100.432) ; P2.26 310.07,106.604 v1(316.205,106.604)
PWM4: P2.25 U2.70 | length 290.7
  Top Layer w0.762: v1(149.073,100.254) 149.073,84.76 147.168,82.855 133.071,82.855 131.166,80.95 131.166,71.298 133.706,68.758 v1(298.679,68.758) ; v1(298.679,75.235) 298.679,105.715 299.441,106.477 v1@301.727,106.477
  Bottom Layer w0.762: U2.70 147.506,120.744 149.073,119.177 v1(149.073,100.254) ; v1(298.679,68.758) v1(298.679,75.235) ; v1(301.701,106.477) 301.845,106.62 P2.25
RX2: U1.48 U2.61 | length 120.2
  Top Layer w1.27: v1(177.902,84.125) 181.204,80.823 181.204,79.807 185.649,75.362 218.288,75.362 222.86,79.934 v1(222.86,96.825)
  Bottom Layer w1.27: U2.61 139.759,95.344 144.577,90.526 171.501,90.526 v1(177.902,84.125) ; U1.48 222.86,102.377 v1(222.86,96.825)
T1_1: L7.1 SIP9.3 U1.17 | length 115
  Top Layer w0.762: v1(216.383,133.147) v1(216.383,141.783) ; L7.1 v1(219.558,189.662) ; v1(222.098,175.057) v1(222.098,178.486)
  Bottom Layer w0.762: SIP9.3 214.478,192.329 215.621,191.186 218.034,191.186 v1(219.558,189.662) 222.098,187.122 v1(222.098,178.486) ; v1(216.383,133.147) 216.383,124.384 217.653,123.114 236.83,123.114 240.414,119.53 U1.17 ; v1(216.383,141.783) 216.383,169.342 v1(222.098,175.057)
T1_2: L19.1 SIP13.3 U1.18 | length 106.7
  Top Layer w0.762: v1(252.959,122.098) v1(263.627,122.098) ; L19.1 v1(281.788,189.408)
  Bottom Layer w0.762: U1.18 249.931,122.098 v1(252.959,122.098) ; v1(263.627,122.098) 263.627,170.358 274.295,181.026 282.55,181.026 283.693,182.169 283.693,187.503 v1(281.788,189.408) 281.788,191.44 280.772,192.456 277.47,192.456 276.581,193.345 SIP13.3
T1_3: L10.1 SIP10.3 U1.19 | length 91.8
  Top Layer w0.762: L10.1 v1(236.576,189.662) ; v1(246.609,124.638) v1(246.609,136.449)
  Bottom Layer w0.762: SIP10.3 231.242,192.583 232.385,191.44 236.068,191.44 236.576,190.932 v1(236.576,189.662) 253.34,172.898 253.34,140.513 252.07,139.243 248.641,139.243 246.609,137.211 v1(246.609,136.449) ; v1(246.609,124.638) 249.875,124.638 U1.19
T1_4: L22.1 SIP14.3 U1.20 | length 115
  Top Layer w0.762: v4(252.959,127.178) v4(267.818,127.178)
  Top Layer w1.27: L22.1 v1(296.266,189.408)
  Bottom Layer w0.762: U1.20 249.931,127.178 v4(252.959,127.178) ; v4(267.818,127.178) 267.818,169.723 274.549,176.454 283.693,176.454 288.392,181.153 296.52,181.153 298.425,183.058 298.425,187.249 v1(296.266,189.408) 296.266,191.821 295.504,192.583 292.202,192.583 291.44,193.345 SIP14.3
T3_1: L8.1 L9.2 SIP9.2 U1.8 | length 98.5
  Top Layer w0.762: v1@202.032,127.051 v1(202.032,127.178) 202.032,142.545 v1(209.525,150.038) ; L9.2 L8.1 v1(220.066,184.201)
  Bottom Layer w0.762: U1.8@197.805,127.178 U1.8 ; U1.8@197.861,127.178 v1(202.032,127.178) ; v1(209.525,150.038) 209.525,182.169 211.557,184.201 v1(220.066,184.201) 220.066,185.217 218.923,186.36 213.97,186.36 211.938,188.392 SIP9.2
T3_2: L20.1 L21.2 SIP13.2 U1.7 | length 181.8
  Top Layer w0.762: L21.2 L20.1 v1(281.788,184.201)
  Bottom Layer w0.762: U1.7 203.203,124.61 211.176,116.637 231.623,116.637 242.164,106.096 255.372,106.096 261.849,112.573 261.849,170.993 275.057,184.201 v1(281.788,184.201) 281.788,185.852 280.645,186.995 276.581,186.995 274.041,189.535 SIP13.2
T3_3: L11.1 L12.2 SIP10.2 U1.10 | length 113.2
  Top Layer w0.762: v1(205.588,130.48) 211.938,130.48 213.335,131.877 v1(213.335,146.355) ; L12.2 L11.1 v1(236.83,184.201)
  Bottom Layer w0.762: U1.10@197.805,132.258 U1.10 200.536,132.23 202.286,130.48 v1(205.588,130.48) ; v1(213.335,146.355) 213.335,176.835 229.464,176.835 v1(236.83,184.201) 236.83,186.233 235.687,187.376 229.972,187.376 228.702,188.646 SIP10.2
T3_4: L23.1 L24.2 SIP14.2 U1.11 | length 210.2
  Top Layer w0.762: v1(203.937,120.32) v1(203.937,134.671) ; L24.2 L23.1 v1(296.647,184.201)
  Bottom Layer w0.762: U1.11@197.861,134.798 U1.11 197.932,134.671 v1(203.937,134.671) ; v1(203.937,120.32) 210.033,114.605 230.734,114.605 241.275,104.064 257.531,104.064 265.659,112.192 265.659,169.85 274.549,178.74 282.931,178.74 288.392,184.201 v1(296.647,184.201) 296.647,186.868 295.758,187.757 292.075,187.757 288.9,190.932 SIP14.2
T4_1: L2.1 L3.2 SIP7.2 U1.21 | length 173.7
  Top Layer w0.762: L3.2@185.776,179.095 L2.1 ; L2.1@185.801,184.201 v1(188.443,184.201)
  Bottom Layer w0.762: SIP7.2 180.442,188.392 181.712,187.122 187.681,187.122 188.443,186.36 v1(188.443,184.201) 188.443,157.15 207.366,138.227 207.366,123.368 212.446,118.288 232.258,118.288 242.926,107.62 252.959,107.62 255.372,110.033 255.372,128.448 254.13,129.69 U1.21
T4_2: L14.1 L15.2 SIP11.2 U1.22 | length 79.8
  Top Layer w0.762: L15.2 L14.1 v1(253.086,184.201)
  Bottom Layer w0.762: SIP11.2 245.466,189.535 247.752,187.249 251.943,187.249 253.086,186.106 v1(253.086,184.201) 255.372,181.915 255.372,135.56 252.041,132.23 U1.22
T4_3: L5.1 L6.2 SIP8.2 U1.23 | length 112.4
  Top Layer w0.762: L6.2 L5.1 v1(204.953,184.201)
  Bottom Layer w0.762: SIP8.2 196.698,189.154 198.73,187.122 203.937,187.122 204.953,186.106 v1(204.953,184.201) 204.953,146.99 217.173,134.77 U1.23
T4_4: L17.1 L18.2 SIP12.2 U1.24 | length 83.8
  Top Layer w0.762: v1(253.467,137.338) v1(258.42,137.338) ; L18.2 L17.1 v1(268.072,184.201)
  Bottom Layer w0.762: U1.24 249.931,137.338 v1(253.467,137.338) ; v1(258.42,137.338) 258.42,174.549 v1(268.072,184.201) 268.072,185.598 266.802,186.868 261.341,186.868 260.325,187.884 SIP12.2
T5_1: L1.1 SIP7.3 U1.13 | length 132.7
  Top Layer w0.762: L1.1 v1(187.808,189.408)
  Bottom Layer w0.762: SIP7.3 182.982,192.71 183.871,191.821 187.046,191.821 187.808,191.059 v1(187.808,189.408) 189.84,189.408 191.618,187.63 191.618,157.531 209.906,139.243 209.906,124.638 214.097,120.447 233.147,120.447 244.224,109.37 U1.13
T5_2: L13.1 SIP11.3 U1.14 | length 97.2
  Top Layer w0.762: L13.1 v1(252.959,189.408) ; v1(252.959,111.938) 256.769,111.938 v1(256.896,112.065)
  Bottom Layer w0.762: SIP11.3 248.006,193.472 248.895,192.583 251.816,192.583 252.959,191.44 v1(252.959,189.408) 256.896,185.471 v1(256.896,112.065) ; U1.14 252.93,111.91 v1(252.959,111.938)
T5_3: L4.1 SIP8.3 U1.15 | length 120.8
  Top Layer w0.762: L4.1 v1(204.572,189.535) ; v1(214.859,129.591) v1(214.859,139.751)
  Bottom Layer w0.762: SIP8.3 199.238,192.202 200,191.44 202.667,191.44 v1(204.572,189.535) 206.604,187.503 206.604,147.879 214.732,139.751 v1(214.859,139.751) ; v1(214.859,129.591) 214.859,123.368 216.51,121.717 235.179,121.717 242.446,114.45 U1.15
T5_4: L16.1 SIP12.3 U1.16 | length 99
  Top Layer w0.762: v1(253.721,117.018) v1(259.055,117.018) ; L16.1 v1(268.072,189.408)
  Bottom Layer w0.762: U1.16 249.931,117.018 v1(253.721,117.018) ; v1(259.055,117.018) 260.071,118.034 260.071,172.39 270.866,183.185 270.866,186.614 v1(268.072,189.408) 268.072,190.805 266.802,192.075 264.008,192.075 262.865,193.218 SIP12.3
TX2: U1.47 U2.62 | length 104.7
  Top Layer w1.27: v1(176.886,100.762) 193.142,100.762 205.207,88.697 215.24,88.697 220.32,93.777 v1(220.32,95.682)
  Bottom Layer w1.27: U2.62 143.543,97.884 147.549,93.878 170.002,93.878 v1(176.886,100.762) ; U1.47 220.32,102.377 v1(220.32,95.682)
pads on no net: U1.1 U1.2 U1.3 U1.4 U1.9 U1.12 U1.25 U1.26 U1.27 U1.28 U1.29 U1.30 U1.31 U1.32 U1.40 U1.41 U1.42 U1.43 U1.44 U1.51 U1.52 U2.1 U2.2 U2.6 U2.8 U2.9 U2.10 U2.11 U2.12 U2.13 U2.14 U2.15 U2.16 U2.17 U2.18 U2.19 U2.20 U2.21 U2.22 U2.23 U2.25 U2.27 U2.29 U2.31 U2.32 U2.33 U2.34 U2.35 U2.36 U2.37 U2.38 U2.39 U2.40 U2.41 U2.42 U2.43 U2.44 U2.45 U2.46 U2.47 U2.48 U2.49 U2.50 U2.51 U2.52 U2.53 U2.54 U2.55 U2.56 U2.57 U2.58 U2.59 U2.60 U2.63 U2.64 U2.65 U2.66 U2.67 U2.78 U2.79 U2.80 U2.81 U2.82 U3.6 U3.7

## Keep-outs
Keep-Out Layer:
  lines w0.051: 96.495,36.627 96.495,95.783 82.677,95.783 67.361,95.783 61.112,102.032 61.112,141.224 67.361,147.472 82.677,147.472 96.495,147.472 96.495,206.398 96.495,206.627 150.904,206.627 158.75,198.78 170.129,198.78 170.129,206.627 176.378,206.627 176.378,198.78 186.893,198.78 186.893,206.601 192.532,206.601 192.532,198.78 203.098,198.78 203.098,206.601 208.077,206.601 208.077,198.78 218.415,198.78 218.415,206.525 218.415,206.601 224.737,206.601 ; 224.739,206.601 224.739,198.78 235.077,198.78 235.077,206.627 241.402,206.627 ; 241.427,206.601 241.427,198.78 251.917,198.78 251.917,206.627 256.413,206.627 256.413,198.78 266.725,198.78 266.725,206.627 270.18,206.627 270.18,198.78 280.518,198.78 280.518,206.576 280.518,206.627 ; 280.568,206.627 284.937,206.627 284.937,202.794 284.937,198.78 284.963,198.755 295.859,198.755 303.731,206.627 371.348,206.627 ; 101.498,64.465 109.245,64.465 109.245,95.809 101.498,95.809 101.498,64.465 ; 108.534,153.467 108.534,164.059 108.712,164.236 114.046,164.236 114.198,164.084 114.198,153.441 114.046,153.289 108.712,153.289 108.534,153.467
  lines w0.076: 112.495,36.627 96.495,36.627 371.348,36.627 371.348,206.627